# Altium PCB cat.PcbDoc (part 3 of 3) (continued)
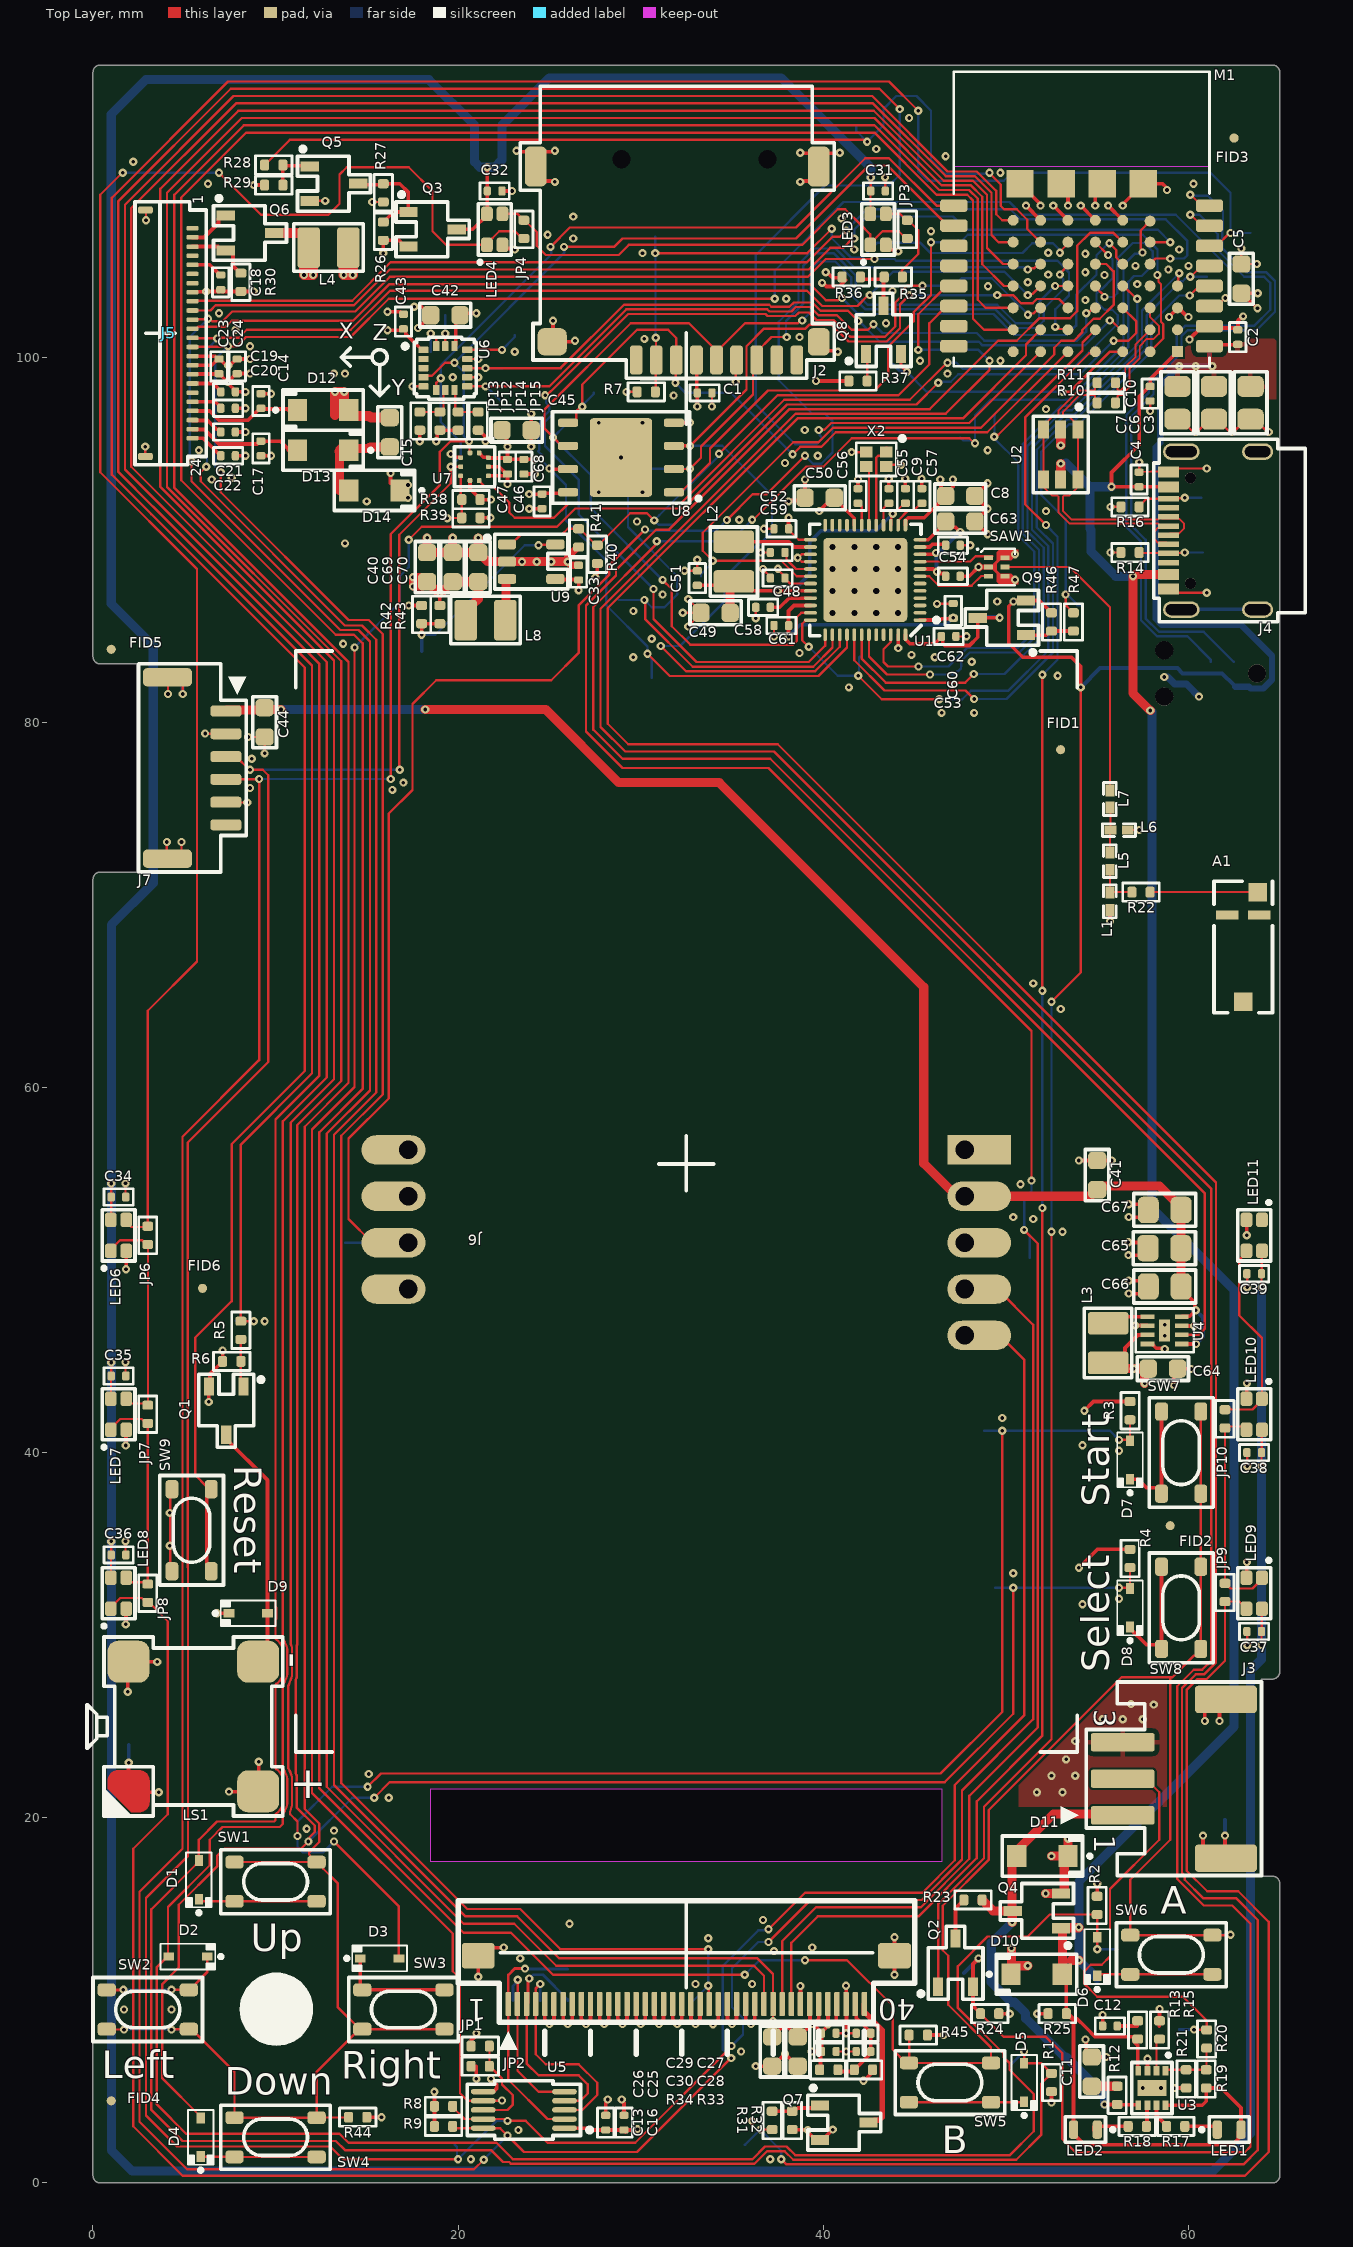
[diagram p0: Top Layer view]
## Nets (pads, with @x,y where several pads share a name; then routed paths per layer and width w, separated by ;. In a path a pad name is that pad's centre, name@x,y a point inside that pad or via, vN(x,y) a via of type N, cw(c..) or ccw(c..) an arc to the next point about the centre after c; other vN are vias at no path point) (continued)
SPI_Q0/MOSI: J2.3 M1.B6 TP57.1 U1.37 U8.5 | length 65.1
  Top Layer w0.127: U8.5@26.02,96.41 26.305,96.41 26.463,96.568 26.463,97.028 26.717,97.282 v1(26.797,97.282) 26.797,98.497 29.8,101.5 31.5,101.5 31.95,101.05 J2.3@31.95,99.843 31.925,99.818 31.925,98.625 v1(31.9,98.6) ; v1(30.7,87.3) 30.7,85.656 33.056,83.3 39.2,83.3 40.1,84.2 U1.37@40.1,84.8 ; v1(38.319,94.681) 38.336,94.681 38.741,95.086 39.886,95.086 40.685,95.885 48.985,95.885 M1.B6@53.4,100.3
  Bottom Layer w0.127: TP57.1@27.432,98.044 27.432,97.981 26.797,97.346 v1(26.797,97.282) 26.717,97.282 26.463,97.028 25.328,97.028 24.759,96.459 24.759,95.141 26.6,93.3 26.6,91.4 v1(30.7,87.3) ; v1(31.9,98.6) 32.457,98.043 34.957,98.043 v1(38.319,94.681)
SPI_Q1/MISO: J2.7 M1.B3 TP58.1 U1.38 U8.2 | length 61.4
  Top Layer w0.127: v1(30.2,86.7) 30.241,86.659 30.241,85.659 32.854,83.046 39.446,83.046 40.5,84.1 U1.38@40.5,84.8 ; U8.2@31.829,93.879 v1@32.692,93.879 ; v1(32.7,93.887) 33.3,94.487 33.3,95.1 36.152,97.952 36.152,99.645 J2.7@36.35,99.843 36.35,100.293 37.157,101.1 v1(38,101.1) ; v1(52.695,103.895) 52.698,103.898 53.398,103.898 M1.B3@53.4,103.9
  Bottom Layer w0.127: TP58.1@28.8,86.7 v1(30.2,86.7) 30.6,86.3 31.3,86.3 32,87 32,88 29.3,90.7 29.3,92.9 30.287,93.887 v1(32.7,93.887) ; v1(38,101.1) 37.959,101.141 37.959,101.976 38.895,102.912 38.895,104.988 39.607,105.7 40.558,105.7 41.783,104.475 41.783,103.505 42.418,102.87 49.53,102.87 50.546,101.854 51.565,101.854 51.816,102.105 51.816,103.016 v1(52.695,103.895)
SPI_Q2: M1.B4 TP59.1 U1.39 U8.3 | length 57.1
  Top Layer w0.127: v1(31.095,84.181) 32.484,82.792 39.551,82.792 40.9,84.141 U1.39@40.9,84.8 ; v1(32.7,95.133) 35.791,98.224 35.791,100.6 36.754,101.564 39.028,101.564 39.247,101.783 40.457,101.783 41.382,100.858 43.475,100.858 44.198,101.58 44.198,102.884 v1(44.715,103.4) ; v1(49.53,103.4) 50.394,103.4 50.835,102.959 51.465,102.959 51.697,103.191 52.91,103.191 M1.B4@53.4,102.7
  Top Layer w0.2: U8.3@31.82,95.14 32.693,95.14 v1(32.7,95.133)
  Bottom Layer w0.127: v1(31.095,84.181) 32.155,84.181 34.586,86.612 34.586,87.932 36.389,89.736 36.509,89.736 37.191,90.417 37.191,92.433 34.471,95.153 32.719,95.153 v1(32.7,95.133) ; v1(44.715,103.4) 47.498,103.4 v1(49.53,103.4)
SPI_Q3: M1.A4 TP60.1 U1.40 U8.7 | length 65.2
  Top Layer w0.127: v1(24.765,97.917) 24.852,97.917 25.081,98.146 25.099,98.146 29.315,102.362 36.83,102.362 36.941,102.251 38.468,102.251 38.662,102.446 39.224,102.446 39.633,102.037 40.562,102.037 41.488,101.112 43.37,101.112 43.944,101.686 43.944,102.989 44.274,103.318 44.274,103.583 44.602,103.911 v1(45.433,103.911) ; v1(30.372,83.756) 31.59,82.538 39.739,82.538 41.3,84.099 U1.40@41.3,84.8 ; v1(51.205,102.328) 51.267,102.39 51.516,102.39 51.826,102.7 M1.A4@51.9,102.7
  Top Layer w0.2: v1(25,93.9) 25.03,93.87 U8.7@26.02,93.87
  Bottom Layer w0.127: v1(24.765,97.917) 24.819,97.863 24.819,97.501 24.994,97.327 24.994,97.053 24.505,96.564 24.505,96.26 24.384,96.139 24.384,95.34 24.441,95.283 24.441,94.917 24.384,94.86 24.384,94.84 24.641,94.583 24.641,94.259 v1(25,93.9) 25.908,92.992 25.908,91.059 28.109,88.858 28.109,86.414 30.372,84.151 v1(30.372,83.756) 30.372,83.669 30.607,83.434 TP60.1@30.607,82.423 ; v1(45.433,103.911) 47.154,103.911 47.57,104.327 49.227,104.327 51.205,102.349 v1(51.205,102.328)
SW_COL0: M1.Z4 R44.2 SW1.3 SW1.4 SW2.3 SW2.4 SW3.3 SW3.4 SW4.3 SW4.4 TP49.1 | length 194.9
  Top Layer w0.127: SW2.3@0.75,8.425 0.775,8.4 v1(1.7,8.4) ; v1(4.3,8.4) 4.313,8.413 5.238,8.413 SW2.4@5.25,8.425 5.4,8.425 7.75,6.075 SW4.4@7.75,3.575 SW4.3@12.25,3.575 ; SW1.4@7.75,17.575 SW1.3@12.25,17.575 ; R44.2@14,3.6 13.987,3.588 12.263,3.588 SW4.3@12.25,3.575 ; SW3.3@14.664,8.425 SW3.3@14.753,8.425 SW3.4@19.253,8.425 ; M1.Z4@50.4,102.7 48.9,102.7 48.454,103.146 48.454,108.686 47.986,109.154 46.346,109.154 42.8,112.7 8.266,112.7 4.459,108.893 4.459,92.841 14,83.3 14,60.254 11.6,57.854 11.6,20.483 12.395,19.688 12.395,18.671 11.827,18.103 11.827,17.998 11.882,17.943 11.882,17.853 12.16,17.575 SW1.3@12.25,17.575 ; SW4.3@12.25,3.575 12.25,6.072 14.603,8.425 14.575,8.425 14.594,8.444 13.4,9.639 13.4,16.425 12.618,17.207 12.618,17.297 12.34,17.575 SW1.3@12.25,17.575
  Bottom Layer w0.127: v1(1.7,8.4) v1(4.3,8.4) TP49.1@5.4,8.4
SW_COL1: M1.Z5 R45.2 SW5.3 SW5.4 SW6.3 SW6.4 SW7.3 SW7.4 SW8.3 SW8.4 TP50.1 | length 260.6
  Top Layer w0.127: v1(35.7,11.4) 25.2,11.4 22.9,13.7 20.3,13.7 12.4,21.6 12.4,57.554 14.769,59.923 14.769,84.331 14.3,84.8 13.3,84.8 4.84,93.26 4.84,108.746 8.394,112.3 42.8,112.3 46.2,108.9 47.88,108.9 48.2,108.58 48.2,102.1 48.8,101.5 M1.Z5@50.4,101.5 ; v1(39,12.2) 41.3,12.2 43.8,9.7 43.8,7.313 44.538,6.575 SW5.4@44.613,6.575 ; R45.2@44.7,8.1 44.7,6.662 SW5.4@44.613,6.575 ; SW7.4@60.675,42.25 SW7.3@60.675,37.75 SW8.4@60.675,33.75 SW8.3@60.675,29.25 60.675,29.16 60.397,28.882 60.307,28.882 59.125,27.7 59,27.7 ; v1(62.3,13.6) 62.275,13.575 SW6.3@61.312,13.575 SW6.4@56.812,13.575 56.812,16.612 59,18.8 59,27.7 ; SW5.4@44.613,6.575 SW5.4@44.688,6.575 SW5.3@49.188,6.575 49.188,7.412 46.844,9.756 46.844,12.447 46.548,12.743 46.548,15.179 49.054,17.685 49.054,20.418 56.336,27.7 59,27.7
  Bottom Layer w0.127: v1(35.7,11.4) 36.5,12.2 v1(39,12.2) ; TP50.1@61.3,13.6 v1(62.3,13.6)
SW_RESET: M1.14 SW9.3 SW9.4 TP40.1 | length 155.8
  Top Layer w0.127: SW9.4@6.225,38 6.225,38.15 5.6,38.775 5.6,46.3 7.6,48.3 7.6,56.9 11.6,60.9 11.6,83 3.2,91.4 1.035,93.565 1.035,108.735 7.4,115.1 43.6,115.1 v1(45.2,113.5) ; M1.14@61.15,106.099 61.55,106.099 62.251,106.8 v1(62.3,106.8)
  Top Layer w0.203: SW9.3@6.225,33.5 SW9.4@6.225,38
  Bottom Layer w0.127: v1(45.2,113.5) 45.2,110.174 45.715,109.659 49.883,109.659 50.324,110.1 61.2,110.1 62.3,109 v1(62.3,106.8) TP40.1@63.4,106.8
SW_ROW0: D1.A D5.A M1.Z0 R1.2 TP45.1 | length 227.8
  Top Layer w0.127: M1.Z0@50.4,107.5 49.8,107.5 49.47,107.83 49.47,109.106 48.406,110.17 46.808,110.17 42.678,114.3 7.7,114.3 1.75,108.35 1.75,93.85 3.4,92.2 12.4,83.2 12.4,60.654 10,58.254 10,31.544 10.041,31.504 10.041,30.896 10,30.856 10,29.81 10.037,29.773 10.046,29.764 cw(c9.625,29.125) 10.391,29.125 10.391,27.975 cw(c9.625,27.975) 10.046,27.336 10.037,27.327 10,27.29 10,22.71 10.037,22.673 10.046,22.664 cw(c9.625,22.025) 10.391,22.025 10.391,20.875 cw(c9.625,20.875) 10.046,20.236 10.037,20.227 10,20.19 10,19.874 9.926,19.8 6.8,19.8 5.8,18.8 D1.A@5.8,17.655 5.8,17.585 5.639,17.424 5.628,17.424 3.2,14.995 3.2,4 4.9,2.3 13.3,2.3 13.8,1.8 21.8,1.8 22.454,1.146 22.795,1.146 22.895,1.046 36.222,1.046 36.917,1.741 37.883,1.741 38.354,1.27 50.57,1.27 51.929,2.629 51.929,5.434 52.263,5.768 52.263,5.78 52.483,6 R1.2@52.495,6 ; v1(51,7.2) D5.A@51,6.555 51.945,6.555 R1.2@52.5,6
  Bottom Layer w0.127: TP45.1@50.2,6.4 v1(51,7.2)
SW_ROW1: D2.A D6.A M1.Z1 R2.2 TP46.1 | length 242.3
  Top Layer w0.127: D2.A@4.145,12.4 D2.A@4.11,12.4 ; 10.644,20.769 10.623,20.669 cw(c9.625,20.875) 10.4,20.213 10.4,19.674 10.226,19.5 7.1,19.5 6.4,18.8 6.4,17.4 4.11,15.11 D2.A@4.11,12.4 ; 10.645,20.77 10.645,22.13 10.623,22.233 ccw(c9.625,22.025) 10.4,22.687 10.4,27.313 ccw(c9.625,27.975) 10.623,27.769 10.644,27.869 10.645,29.23 10.623,29.333 ccw(c9.625,29.125) 10.4,29.787 10.4,58.154 12.8,60.554 12.8,83.3 2.1,94 2.1,108.165 7.835,113.9 42.718,113.9 46.702,109.916 48.301,109.916 49.216,109.001 49.216,106.684 49.6,106.3 M1.Z1@50.4,106.3 ; v1(55,12.8) D6.A@55,13.455 R2.2@55,14.7 52.4,14.7 51.2,13.5 49,13.5 47.371,11.871 47.371,9.588 49.878,7.081 49.878,6.891 50.2,6.569 50.2,6.2 51.529,4.871 51.529,2.829 50.224,1.524 38.459,1.524 37.988,1.995 36.812,1.995 36.117,1.3 23,1.3 22.1,2.2 14,2.2 13.5,2.7 5.1,2.7 3.5,4.3 3.5,11.825 3.913,12.238 4.075,12.4 D2.A@4.11,12.4
  Bottom Layer w0.127: v1(55,12.8) TP46.1@56.1,12.8
SW_ROW2: D3.A D7.A M1.Z2 R3.2 TP47.1 | length 226.6
  Top Layer w0.127: v1(11.2,19) 11.2,19.8 10.805,20.195 10.793,20.207 10.793,20.313 10.899,20.664 10.898,22.235 10.832,22.431 ccw(c9.625,22.025) 10.7,22.708 10.7,27.204 10.822,27.54 ccw(c9.625,27.975) 10.834,27.574 10.899,27.764 10.898,29.335 10.832,29.531 10.832,58.086 13.2,60.454 13.2,83.382 3.693,92.889 3.693,109.23 7.963,113.5 42.759,113.5 46.597,109.662 48.196,109.662 48.962,108.896 48.962,105.978 49.84,105.1 M1.Z2@50.4,105.1 ; v1(13.2,18.7) 16.755,15.145 D3.A@16.755,12.3 ; v1(15.041,21.7) 15.768,22.427 46.427,22.427 49.8,25.8 v1(49.8,41.2) ; v1(56.2,40.7) D7.A@56.755,40.7 ; D7.A@56.8,40.7 D7.A@56.8,40.655 R3.2@56.8,41.8
  Bottom Layer w0.127: v1(13.2,18.7) 12.6,18.1 11.5,18.1 11.2,18.4 v1(11.2,19) 11.2,19.8 13.1,21.7 v1(15.041,21.7) ; TP47.1@48.8,41.2 v1(49.8,41.2) 55.7,41.2 v1(56.2,40.7)
SW_ROW3: D4.A D8.A M1.Z3 R4.2 TP48.1 | length 228.6
  Top Layer w0.127: D4.A@5.9,3.555 5.9,3.625 3.8,5.725 3.8,10.9 4.7,11.8 4.7,15.234 6.8,17.334 6.8,17.9 7.2,18.3 11.4,18.3 11.862,18.762 11.862,18.938 12.141,19.217 12.141,19.583 11.153,20.571 11.153,22.341 11.12,22.373 11.1,22.432 11.1,27.568 11.12,27.626 11.153,27.659 11.153,29.441 11.185,29.473 11.185,57.939 13.6,60.354 13.6,83.341 4.055,92.886 4.055,109.005 8.15,113.1 42.8,113.1 46.492,109.408 48.091,109.408 48.708,108.791 48.708,105.089 49.897,103.9 M1.Z3@50.4,103.9 ; v1(15.4,21.1) 16.254,21.954 46.654,21.954 50.4,25.7 v1(50.4,32.6) ; v1(56.2,32.6) D8.A@56.755,32.6 ; D8.A@56.8,32.6 D8.A@56.8,32.555 R4.2@56.8,33.7
  Bottom Layer w0.127: v1(11.8,18.7) 14.2,21.1 v1(15.4,21.1) ; TP48.1@49.4,32.6 v1(50.4,32.6) v1(56.2,32.6)
SWCLK: J1.4 M1.15 TP38.1 | length 36.9
  Top Layer w0.127: v1(60.1,107.8) 60.125,107.8 60.725,107.199 M1.15@61.15,107.199
  Bottom Layer w0.127: v1(60.1,107.8) 60.6,107.8 TP38.1@61.2,107.2 61.2,107.139 61.605,106.734 61.605,105.854 63.054,104.405 64.146,104.405 64.483,104.068 64.483,102.594 63.615,101.727 59.833,101.727 59.363,101.258 59.363,100.346 57.833,98.816 57.833,98.07 56.605,96.842 56.605,96.483 56.6,96.478 56.6,90.7 57.4,89.9 57.4,85.589 58.277,84.711 59.944,84.711 61.214,83.441 J1.4@61.214,83.312
SWDIO: J1.2 M1.16 TP39.1 | length 39.5
  Top Layer w0.127: v1(60.1,108.9) 60.125,108.9 60.725,108.299 M1.16@61.15,108.299
  Bottom Layer w0.127: v1(60.1,108.9) 60.162,108.838 61.062,108.838 TP39.1@61.2,108.7 61.891,108.009 61.891,107.014 61.859,106.983 61.859,105.959 63.159,104.659 ; J1.2@62.484,83.312 60.831,84.965 58.383,84.965 57.654,85.694 57.654,90.005 56.859,90.8 56.859,96.737 58.087,97.965 58.087,98.71 59.617,100.241 59.617,101.152 59.876,101.411 59.882,101.411 59.944,101.473 63.721,101.473 64.737,102.489 64.737,104.173 64.251,104.659 63.159,104.659 ; 63.429,104.659 63.159,104.659
TOUCH_INT: M1.D4 TP30.1 U5.7 | length 140.4
  Top Layer w0.127: v1(14.328,84.1) 14.328,60.027 12,57.699 12,21.358 19.7,13.658 19.7,11.6 20.1,11.2 20.1,4.912 20.512,4.5 U5.7@21.375,4.5 ; v1(17.3,90) 18.01,90.71 25.409,90.71 26.409,91.709 32.309,91.709 38.009,97.409 45.109,97.409 v1(46.3,98.6) ; U5.7@21.375,4.5 21.381,4.506 22.399,4.506 v1(22.405,4.512) ; v1(55.9,100.9) 56.71,100.9 57.149,101.339 57.149,101.951 M1.D4@56.4,102.7
  Bottom Layer w0.127: v1(14.328,84.1) 16.8,86.572 16.8,88 17.3,88.5 v1(17.3,90) ; TP30.1@21.375,4.5 21.381,4.506 22.399,4.506 v1(22.405,4.512) ; v1(46.3,98.6) 46.359,98.659 46.983,98.659 47.39,99.066 54.066,99.066 v1(55.9,100.9)
TOUCH_X+: J6.1 TP12.1 U5.2 | length 13.1
  Top Layer w0.127: J6.1@22.75,9.3 22.75,5.65 24.9,3.5 U5.2@25.825,3.5
  Top Layer w0.152: J6.1@22.75,9.3 J6.1@22.75,9.8 22.75,11.385 23.103,11.738 v1(23.662,11.738)
  Bottom Layer w0.152: v1(23.662,11.738) 23.681,11.719 25.981,11.719 TP12.1@26,11.7
TOUCH_X-: J6.3 TP14.1 U5.4 | length 13.4
  Top Layer w0.127: J6.3@23.75,9.8 23.75,6.55 24.4,5.9 26.6,5.9 27.1,5.4 27.1,4.9 26.7,4.5 U5.4@25.825,4.5
  Top Layer w0.152: J6.3@23.693,9.743 J6.3@23.75,9.8 23.824,9.874 23.824,11.043 23.9,11.119 v1(23.9,11.2)
  Bottom Layer w0.152: v1(23.9,11.2) 23.929,11.2 24.138,11.409 24.632,11.409 26,10.041 TP14.1@26,10
TOUCH_Y+: J6.4 TP13.1 U5.3 | length 11.8
  Top Layer w0.127: J6.4@24.25,9.8 24.25,7.05 24.8,6.5 26.6,6.5 27.616,5.484 27.616,4.816 26.8,4 U5.3@25.825,4
  Top Layer w0.152: J6.4@24.188,9.738 J6.4@24.25,9.8 24.25,10.65 v1(24.5,10.9)
  Bottom Layer w0.152: TP13.1@24.5,10 v1(24.5,10.9)
TOUCH_Y-: J6.2 TP15.1 U5.5 | length 9.3
  Top Layer w0.127: J6.2@23.25,9.8 23.25,9.737 23.25,6.15 24.4,5 U5.5@25.825,5
  Top Layer w0.152: J6.2@23.25,9.8 23.26,9.81 23.26,11.119 v1(23.271,11.129)
  Bottom Layer w0.152: TP15.1@23,10 23,10.778 23.271,11.049 v1(23.271,11.129)
USB0_D+: J4.A6 J4.B6 R10.1 U2.1 U2.6 | length 17
  Top Layer w0.105: U2.6@53.954,92.894 53.475,92.415 53.181,92.415 53.12,92.353 53.12,91.581 53.585,91.116 58.346,91.116 58.48,91.25 58.578,91.152 59.492,91.152 59.766,90.878 59.766,90.621 59.493,90.348 58.998,90.348 J4.A6@58.9,90.25 ; U2.6@53.954,93.294 U2.1@53.954,96.044 53.954,96.244 53.475,96.723 53.181,96.723 53.12,96.785 53.12,96.996 54.058,97.934 54.822,97.934 54.883,97.873 54.883,97.617 R10.1@55,97.5
USB0_D-: J4.A7 J4.B7 R11.1 U2.3 U2.4 | length 17.6
  Top Layer w0.105: U2.4@52.054,92.894 52.534,92.415 52.827,92.415 52.888,92.353 52.888,91.485 53.489,90.884 58.346,90.884 58.48,90.75 J4.A7@58.9,90.75 58.802,90.652 58.329,90.652 58.151,90.474 58.151,90.026 58.329,89.848 58.802,89.848 J4.B7@58.9,89.75 ; U2.4@52.054,93.294 U2.3@52.054,96.044 52.054,96.244 52.534,96.723 52.827,96.723 52.888,96.785 52.888,97.092 53.963,98.166 54.822,98.166 54.883,98.227 54.883,98.483 R11.1@55,98.6
USB1_D+: M1.E4 R10.2 | length 6.7
  Top Layer w0.105: R10.2@56,97.5 56.117,97.617 56.117,97.873 56.178,97.934 56.36,97.934 56.77,98.344 56.77,99.37 57.332,99.932 57.332,100.604 57.728,101 58.1,101 58.379,101.279 58.379,101.721 57.9,102.2 M1.E4@57.9,102.7
USB1_D-: M1.E5 R11.2 | length 4.6
  Top Layer w0.105: R11.2@56,98.6 56.117,98.483 56.117,98.227 56.178,98.166 56.264,98.166 56.539,98.44 56.539,99.466 57.1,100.028 57.1,100.7 M1.E5@57.9,101.5
VBAT: D11.A J3.1 Q4.3 R12.2 R23.2 TP5.1 U3.5 | length 28.7
  Top Layer w0.203: v1(55.4,4.3) R12.2@56.1,4.3 56.123,4.277 57.228,4.277 U3.5@57.25,4.255
  Top Layer w0.5: R23.2@48.7,15.5 48.7,15.45 48.75,15.45 49.3,14.9 50.33,14.9 50.346,14.916 v1(50.346,14.279) ; Q4.3@50.338,14.925 50.338,17.863 50.3,17.9 50.3,17.975 50.575,18.25 50.65,18.25 52.6,20.2 J3.1@56.3,20.2
  Bottom Layer w0.5: TP5.1@50.346,15.339 v1(50.346,14.279) 49.2,13.133 49.2,10.998 50.3,9.898 50.471,9.898 51.084,9.286 51.084,9.011 53.19,6.905 53.293,6.905 55.4,4.798 v1(55.4,4.3)
VBUS: C4.1 C10.2 D10.A J4.A4/B9 J4.A9/B4 LED1.2 LED2.2 M1.F6 Q4.1 R13.2 R19.1 R25.2 TP8.1 TP10.1 U2.5 U3.4 U3.8 | length 143.7
  Top Layer w0.203: R25.2@53.311,9.271 53.311,9.234 53.458,9.087 53.495,9.087 53.582,9 53.7,9 ; 53.5,12.3 53.1,11.9 53.3,11.7 53.3,9.4 53.37,9.33 53.554,9.146 53.641,9.059 53.7,9 ; R13.2@57.019,7.731 57.15,7.6 57.2,7.6 57.225,7.575 57.225,6.17 U3.4@57.25,6.145 ; R13.2@57.22,7.882 57.102,8 54.9,8 54.4,8.5 53.9,9 53.7,9 ; U3.8@58.75,4.255 60.755,4.255 60.975,4.475 R19.1@60.975,5.2 61.8,5.2 62.88,4.12 LED1.2@62.88,2.849 ; J4.A9/B4@58.9,92.9 C4.1@57.3,92.9 v1(55.787,92.9) 55.787,93.687 57.3,95.2 57.3,97.85 57.85,98.4 C10.2@57.9,98.4 57.9,98.795 58.6,99.495 58.6,99.5 M1.F6@59.4,100.3 ; LED1.2@62.88,2.921 62.746,2.787 62.746,2.421 62.425,2.1 54.288,2.1 53.7,2.688 53.7,9
  Top Layer w0.5: U2.5@53.004,93.294 v1(53.004,94.169) ; Q4.1@53.025,13.95 Q4.1@53.075,13.95 ; D10.A@53.1,11.9 53.1,13.925 Q4.1@53.075,13.95 ; 53.6,12.2 v1(54,12.2) ; v1(54,14) 53.975,13.975 53.275,13.975 53.25,13.95 Q4.1@53.075,13.95 ; v1(56.959,88) 56.959,81.598 v1(57.912,80.645) ; v1@57,88 57.1,88.1 J4.A4/B9@58.9,88.1
  Bottom Layer w0.5: 53.3,94.2 54.6,92.9 ; TP8.1@55,11.2 v1(54,12.2) 54,16.5 62.5,25 62.5,48.9 58.146,53.254 58.145,53.255 cw(c58.5,53.607) 58,53.607 58,80.557 v1(57.912,80.645) ; v1(55.787,92.9) 54.6,92.9 ; v1(56.959,88) 56.018,88 54.668,89.35 54.668,90.532 TP10.1@54.6,90.6 54.6,92.9
VLED: C31.2 C32.2 C34.2 C35.2 C36.2 C37.2 C38.2 C39.2 LED3.2 LED4.2 LED6.2 LED7.2 LED8.2 LED9.2 LED10.2 LED11.2 Q3.3 TP65.1 | length 293.6
  Top Layer w0.127: LED8.2@0.975,33.15 0.987,33.163 0.987,34.388 C36.2@1,34.4 v1(1,35.141) ; LED7.2@0.975,42.95 0.987,42.963 0.987,44.188 C35.2@1,44.2 v1(1,44.941) ; LED6.2@0.975,52.75 0.997,52.772 C34.2@0.997,53.994 ; C34.2@1,54 v1(1,54.741) ; LED4.2@21.575,107.85 LED4.2@21.588,107.863 ; C32.2@21.588,109.088 C32.2@21.6,109.1 ; LED3.2@42.575,107.85 42.588,107.863 42.588,109.088 C31.2@42.6,109.1 v1(42.6,109.841) ; v1(64,29.459) C37.2@64,30.2 64.013,30.212 64.013,31.437 LED9.2@64.025,31.45 ; v1(64,39.259) C38.2@64,40 64.013,40.012 64.013,41.237 LED10.2@64.025,41.25 ; v1(64,49.059) C39.2@64,49.8 64.013,49.812 64.013,51.037 LED11.2@64.025,51.05
  Top Layer w0.203: Q3.3@19.925,107 20.8,107 21.575,107.775 LED4.2@21.575,107.85 ; LED4.2@21.588,107.863 C32.2@21.588,109.088 ; C32.2@21.6,109.1 v1(21.6,110.4)
  Bottom Layer w0.5: v1(42.6,109.841) 42.6,110.387 37.687,115.3 25,115.3 22.4,112.7 22.4,110.8 22,110.4 v1(21.6,110.4) 21.193,110.4 20.9,110.693 20.9,112.7 18.4,115.2 2.9,115.2 1,113.3 1,104.8 1,89 1,86.5 3.3,84.2 3.3,71.2 1.01,68.91 1.01,54.755 1,54.746 v1(1,54.741) 1.01,54.731 1.01,44.95 v1(1,44.941) 1.01,44.931 1.01,41.671 1.01,35.15 v1(1,35.141) 1.01,35.131 1.01,1.79 2.151,0.649 61.334,0.649 63.4,2.715 63.4,28.08 TP65.1@64,28.68 v1(64,29.459) ; v1(64,39.259) 64,47.634 ; v1(64,29.459) v1(64,39.259) ; 64,47.634 v1(64,49.059)
VSYS: C5.2 C33.2 C64.2 D10.K D11.K L3.1 M1.F4 Q3.2 Q4.2 R26.2 R36.2 R40.2 TP11.1 U4.3 U9.4 | length 23.5
  Top Layer w0.203: v1(15.9,105.7) R26.2@15.9,106.4 16.758,106.4 16.877,106.281 16.877,106.223 17.05,106.05 Q3.2@17.275,106.05 ; U9.4@25.325,87.85 25.35,87.825 26.575,87.825 C33.2@26.6,87.8 ; v1(26.6,87.225) C33.2@26.6,87.775 ; v1(27.51,87.933) 27.51,88 27.625,88.115 R40.2@27.625,88.65 ; v1(39.936,104.067) 39.982,104.067 40.178,103.87 40.877,103.87 41.236,104.23 41.121,104.345 40.502,104.345 40.199,104.648 v1(40.132,104.648) ; D10.K@50.3,11.9 D10.K@50.311,11.911 ; D11.K@53.4,17.9 D11.K@53.411,17.911 ; L3.1@55.6,45.315 L3.1@56.01,45.315 ; L3.1@56.01,44.915 56.52,45.424 56.52,45.729 57.238,46.447 57.757,46.447 U4.3@57.76,46.45 ; v1@58.941,102.18 58.941,102.211 59.4,102.67 M1.F4@59.4,102.7 59.45,102.7 59.95,102.2 v1(60,102.2) ; C5.2@62.9,103.5 v1(63.8,103.5) ; C5.2@63.144,103.226 63.214,103.226 63.767,102.674 v1(63.782,102.674)
  Top Layer w0.5: D10.K@50.3,11.9 v1(51.2,11.9) ; D10.K@50.311,11.911 v1(50.311,12.849) ; v1(52.177,15.85) Q4.2@53.025,15.85 ; v1(52.5,17.9) D11.K@53.4,17.9 53.2,17.7 53.2,15.875 Q4.2@53.175,15.85 ; D11.K@53.411,17.911 v1(53.411,18.849) ; L3.1@55.6,44.915 L3.1@56.01,44.915 ; L3.1@56.335,44.675 56.41,44.6 v1(57,44.6) 57.38,44.6 57.575,44.405 57.605,44.405 C64.2@57.8,44.6 ; v1(57.6,43.8) C64.2@57.6,44.6
  other v1: 58.941,102.2
WIFI_BUCK: M1.C2 TP26.1 U1.30 | length 39.5
  Top Layer w0.127: U1.30@39.3,88 38.549,88 37.699,88.85 v1(33.95,88.85) 33.4,89.4 33.4,90.386 38.355,95.34 39.74,95.34 40.539,96.139 48.637,96.139 52.644,100.146 52.644,100.51 53.034,100.9 53.728,100.9 54.176,101.348 54.176,101.47 54.806,102.1 55.139,102.1 55.9,102.861 55.9,104.7 55.5,105.1 M1.C2@54.9,105.1
  Bottom Layer w0.127: TP26.1@33.3,88 33.3,88.113 33.95,88.763 v1(33.95,88.85)
WIFI_C\S\: M1.F3 TP62.1 U1.36 | length 43.8
  Top Layer w0.127: v1(39.2,84.141) 38.852,84.489 38.852,85.402 39.05,85.6 U1.36@39.3,85.6 ; v1(41.91,82.55) 43.201,81.259 v1(46.355,81.259) ; M1.F3@59.4,103.9 59.45,103.95 59.45,104.55 v1(59.5,104.6)
  Bottom Layer w0.127: v1(39.2,84.141) 40.791,82.55 v1(41.91,82.55) 41.96,82.6 41.96,83.56 TP62.1@42,83.6 ; v1(46.355,81.259) 47.616,81.259 48.077,81.721 50.12,81.721 52.324,83.925 52.324,89.662 51.435,90.551 51.435,95.031 53.242,96.838 53.716,96.838 57.454,100.576 57.454,102.554 v1(59.5,104.6)
WIFI_IRQ: M1.C5 TP25.1 U1.46 | length 31.8
  Top Layer w0.127: U1.46@43.7,84.8 43.697,84.797 43.697,84.397 43.3,84 43.3,83.3 43.542,83.058 v1(45.212,83.058) ; v1(49.362,95.638) 49.449,95.638 49.558,95.747 49.587,95.747 54.2,100.36 54.2,100.8 M1.C5@54.9,101.5
  Bottom Layer w0.127: v1(45.212,83.058) 46.852,83.058 47.868,84.074 50.633,84.074 51.562,85.003 51.562,89.346 50.673,90.235 50.673,94.24 49.362,95.551 v1(49.362,95.638) 49.381,95.657 49.381,96.781 TP25.1@49.4,96.8
pads on no net: A1.1 A1.2 A1.3 FID1.F FID2.F FID3.F FID4.F FID5.F FID6.F J1. J1.3 J1.6 J2. J2.1 J2.8 J2.CD J4.A8 J4.B8 J4.MH J4.MP@59.61,86.175 J4.MP@59.61,94.825 J4.MP@63.79,86.175 J4.MP@63.79,94.825 J5.1 J5.4 J5.6 J5.7 J5.19 J7.6 LED11.1 M1.3 M1.4 M1.7 M1.8 M1.E3 M1.F5 M1.Z6 M2.8 U1.2 U1.3 U1.4 U1.5 U1.6 U1.21 U1.22 U1.23 U1.24 U1.44 U1.45 U6.2 U6.3

## Polygon pours and split planes (outlines as drawn)
3.3V on Bottom Layer "3V3_L04_P-001" (solid, remove dead copper, pour order 8): -0.1,116.1 64.9,116.1 64.9,0.1 -0.1,0.1
VSYS on Bottom Layer "VSYS_L04_P-001" (solid, remove dead copper, pour order 5): 46.101,87.249 45.466,86.614 39.889,86.614 28.194,86.614 28.194,88.392 27.94,88.646 27.178,88.646 26.035,87.503 26.035,82.296 25.781,82.042 11,82.042 11,105.1 16.7,105.1 16.7,106.3 10.1,106.3 10.1,80.7 21.2,80.7 21.2,77.1 54.8,77.1 54.8,31.1 50.4,26.7 50.4,14.333 49.2,13.133 49.2,11.217 54.983,11.217 55,11.2 65,11.2 65,105.4 38.4,105.4 38.4,103.459 46.067,95.792 46.067,95.758 48.133,93.692 48.133,91.305 46.101,89.273
NetC15_1 on Bottom Layer "NETC15_1_L04_P007" (solid, pour order 7): 11,105.127 11,97.473 14.3,97.473 14.3,98.7 12.642,98.7 12.592,105.127
3.3V_nRF on Top Layer "3.3V_nRF_L01_P-001" (solid, pour order 6): 65,100.999 64.999,101 60.104,100.999 58.6,99.495 58.6,97.7 65,97.7
GND on Top Layer "GND_L01_P009" (solid, pour order 9): 50.7,20.6 50.7,22.064 56.336,27.7 59.063,27.7 59.063,20.663 59,20.6
GND on Layer 2 "GND_L02_P-001" (solid, pour order 1): 0,116 65,116 65,0 0,0
GND on Layer 3 "GND_L03_P-001" (solid, pour order 2): 0,116 65,116 65,0 0,0

## Other copper
Multi-Layer:
  pour cut-out: 65,80.977 58.5,80.977 58.5,53.466 65,53.466
  pour cut-out: 47.15,115.629 47.15,110.467 61.147,110.467 61.147,115.629

## Silkscreen, mask and mechanical layers (free items; w line width, h text height)
Top Overlay:
  region: 8.045,9.515 ccw(c10.045,9.515) 10.045,7.515 ccw(c10.045,9.515) 12.045,9.515 ccw(c10.045,9.515) 10.045,11.515 ccw(c10.045,9.515)
Bottom Overlay:
  drawing of 245 lines, arcs and shapes, not listed
  text "'.Project' V'.Revision'" at 36.354,6.246 h2
  text ".Print_Date" at 36.896,4.502 h2
Mechanical 1:
  circle w0.006: c46.938,5.5 r0.003
  circle w0.006: c10,9.5 r0.003
  circle w0.006: c10,2.5 r0.003
  circle w0.006: c17,9.5 r0.003
  circle w0.006: c10,16.5 r0.003
  circle w0.006: c3,9.5 r0.003
  circle w0.013: c10,9.5 r3
  lines w0.013: 3,9.5 17,9.5 ; 10,2.5 10,16.5 ; 46.938,5.5 59.062,12.5 ; 0.91,11.1 5.09,7.9 ; 0.91,11.1 0.91,7.9 5.09,7.9 ; 0.91,11.1 5.09,11.1 5.09,7.9 ; 7.91,0.9 12.09,4.1 ; 7.91,0.9 7.91,4.1 ; 7.91,0.9 12.09,0.9 ; 7.91,4.1 12.09,4.1 ; 7.91,4.1 12.09,0.9 ; 7.91,14.9 12.09,18.1 ; 7.91,14.9 12.09,14.9 ; 7.91,14.9 7.91,18.1 ; 7.91,18.1 12.09,14.9 ; 7.91,18.1 12.09,18.1 ; 12.09,0.9 12.09,4.1 ; 12.09,14.9 12.09,18.1 ; 14.91,7.9 19.09,11.1 ; 14.91,7.9 19.09,7.9 ; 14.91,7.9 14.91,11.1 ; 14.91,11.1 19.09,7.9 ; 14.91,11.1 19.09,11.1 ; 19.09,7.9 19.09,11.1 ; 44.848,3.9 44.848,7.1 ; 44.848,3.9 49.028,7.1 ; 44.848,3.9 49.028,3.9 ; 44.848,7.1 49.028,3.9 ; 44.848,7.1 49.028,7.1 ; 49.028,3.9 49.028,7.1 ; 56.972,10.9 56.972,14.1 ; 56.972,10.9 61.152,14.1 ; 56.972,10.9 61.152,10.9 ; 56.972,14.1 61.152,10.9 ; 56.972,14.1 61.152,14.1 ; 61.152,10.9 61.152,14.1 ; 0,0 65,0 65,5 65,116 0,116 0,5 0,0

## Text inside footprints (layer, text, board x,y; h text height)
J3: Top Overlay "3" at 54.469,25.956 h2 r270; Top Overlay "1" at 54.458,19.073 h2 r270
J5: Top Overlay "24" at 6.121,93.437 h1 r90; Top Overlay "1" at 6.221,108.382 h1 r90
J6: Top Overlay "40" at 45.041,10.432 h2 r180; Top Overlay "1" at 21.535,10.443 h2 r180
LS1: Top Overlay "+" at 10.766,20.506 h3; Top Overlay "-" at 12.094,28.187 h3 r90
U6: Top Overlay "Y" at 16.36,97.62 h1.5; Top Overlay "X" at 13.46,100.72 h1.5; Top Overlay "Z" at 15.32,100.62 h1.5